# Altium PCB PCB2.PcbDoc (continued)
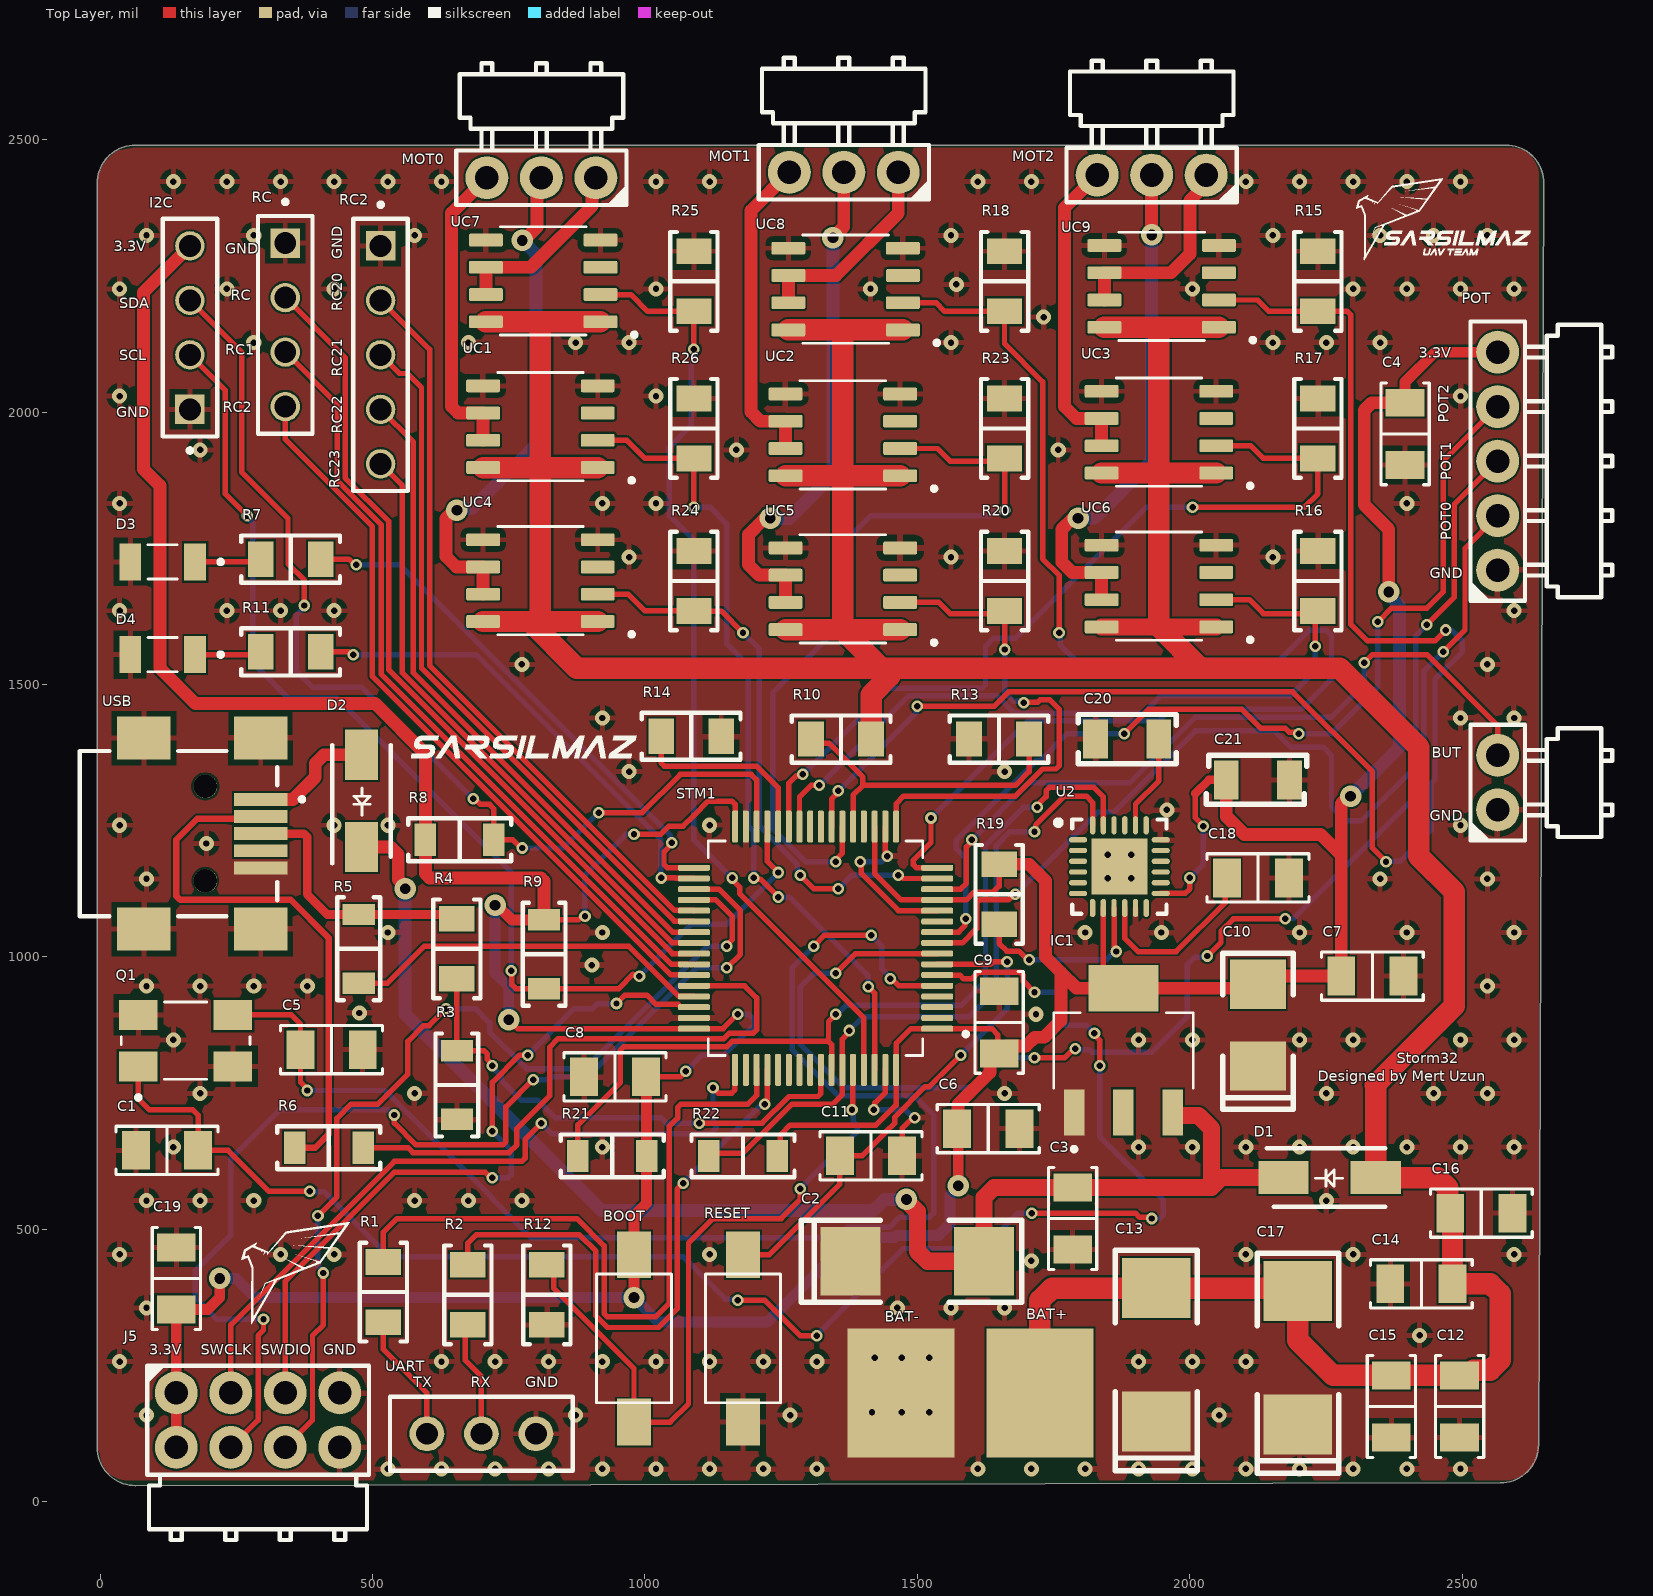
[diagram p0: Top Layer view]
## Part data (continued)
BOOT RESET: library part RESET_BUTTON
BUT: library part M20-9960245, "CONN HEADER R/A 2POS 2.54MM", Current Rating (Amps)="3A per Contact", manufacturer="Harwin Inc.", Material Flammability Rating="UL94 V-0", Operating Temperature="-40°C ~ 105°C", Supplier Part Number 1=952-2244-ND, Insulation Color=Black, componentlink1description=Datasheet, componentlink1url=https://cdn.harwin.com/pdfs/Harwin_PC_Connectors_M20.pdf, componentlink2description="DigiKey Link", componentlink2url=https://www.digikey.com/en/products/detail/harwin-inc/M20-9960245/3728208, Connector Type="Header, Cuttable", Contact Finish - Mating=Gold, Contact Length - Mating="0.240\" (6.10mm)", Contact Length - Post="0.118\" (3.00mm)", Contact Material=Brass, Contact Shape=Square, Contact Type="Male Pin", Fastening Type=Push-Pull, lastupdated="21.09.2022 19:22:55", Lifecycle Status=Active, Minimum Order=1, Mounting Type="Through Hole, Right Angle", Number of Positions=2, Number of Positions Loaded=All, Number of Rows=1, packaging=Bulk, Part Number=M20-9960245, Part Status=Active, partid=165, Pitch - Mating="0.100\" (2.54mm)", price=0.07, Row Spacing - Mating="-40°C ~ 105°C", series=M20, Shrouding=Unshrouded, Style="Board to Board or Cable", Supplier 1=DigiKey, Termination=Solder, Insulation Height="0.100\" (2.54mm)", Insulation Material="Polyamide (PA6T), Nylon 6T"
C1 C5: library part CC1206JRNPO9BN220, "CAP CER 22PF 50V C0G/NPO 1206", Device Package="1206 (3216 Metric)", manufacturer=Yageo, Operating Temperature="-55°C ~ 125°C", Supplier Part Number 1=311-1154-1-ND, Temperature Coefficient="C0G, NP0", Tolerance=±5%, Voltage - Rated=50V, Applications="General Purpose", Capacitance="22 pF", componentlink1description=Datasheet, componentlink1url=https://www.yageo.com/upload/media/product/productsearch/datasheet/mlcc/UPY-GP_NP0_16V-to-50V_17.pdf, componentlink2description="DigiKey Link", componentlink2url=https://www.digikey.com/en/products/detail/yageo/CC1206JRNPO9BN220/302888, lastupdated="4.06.2024 19:10:37", Lifecycle Status=Active, Minimum Order=1, Mounting Type="Surface Mount, MLCC", Package / Case="1206 (3216 Metric)", packaging=TapeAndReel, Part Number=CC1206JRNPO9BN220, Part Status=Active, partid=18729, price=0.03, series=CC, Size / Dimension="0.126\" L x 0.063\" W (3.20mm x 1.60mm)", Supplier 1=DigiKey, Thickness (Max)="0.024\" (0.60mm)"
C2 C13 C17: library part "TANTAL CAP C-CASE"
C3 C4 C6 C7 C8 C9 C11 C12 C14 C15 C16 C18 C19: library part 1206B104J101N, "MLCC 1206 100V 100NF X7R", Device Package="1206 (3216 Metric)", manufacturer="Knowles Novacap", Operating Temperature="-55°C ~ 125°C", Supplier Part Number 1=1763-1206B104J101N-ND, Temperature Coefficient=X7R, Tolerance=±5%, Voltage - Rated=100V, Applications="SMPS Filtering", Capacitance="0.1 µF", componentlink1description=Datasheet, componentlink1url=https://www.knowlescapacitors.com/getattachment/ddd08fe0-16c1-4f86-944e-edc3fc04fb57/X7R.pdf, componentlink2description="DigiKey Link", componentlink2url=https://www.digikey.com/en/products/detail/knowles-novacap/1206B104J101N/22208472, lastupdated="4.06.2024 19:09:54", Lifecycle Status=Active, Minimum Order=1, Mounting Type="Surface Mount, MLCC", Package / Case="1206 (3216 Metric)", packaging=Bulk, Part Number=1206B104J101N, partid=59278, price=0.25, series=-, Size / Dimension="0.126\" L x 0.063\" W (3.20mm x 1.60mm)", Supplier 1=DigiKey, Thickness (Max)="0.064\" (1.63mm)"
C10: library part "TANTALUM SMD B", "Generic Tantalum Type B, 3.5x2.8x1.9."
C20: library part CAP-SM-1206-X7R-10uF-50V, "2.2nF", manufacturer=GENERIC, Package=1206, Part Number=CAP-SM-1206-X7R-10uF-50V
C21: library part CAP-SM-1206-X7R-10uF-50V, "10nF", manufacturer=GENERIC, Package=1206, Part Number=CAP-SM-1206-X7R-10uF-50V
D3 D4: library part LHN974_RED_LED_1206, "2.6 V Red LED SMD", Package=None, Check_prices=https://www.snapeda.com/parts/LHN974%20RED%20LED%201206/Osram/view-part/?ref=eda, MF=Osram, MP="LHN974 RED LED 1206", SnapEDA_Link=https://www.snapeda.com/parts/LHN974%20RED%20LED%201206/Osram/view-part/?ref=snap
I2C RC: library part "Header 4pin"
J5: "CONN HEADER R/A 8POS 2.54MM", Current Rating (Amps)="3A per Contact", manufacturer="Harwin Inc.", Material Flammability Rating="UL94 V-0", Operating Temperature="-40°C ~ 105°C", Supplier Part Number 1=M20-9740442-ND, Insulation Color=Black, componentlink1description=Datasheet, componentlink1url=https://cdn.harwin.com/pdfs/M20-974.pdf, componentlink2description="DigiKey Link", componentlink2url=http://digikey.com/product-detail/en/harwin-inc/M20-9740442/M20-9740442-ND/3920714, Connector Type="Header, Cuttable", Contact Finish - Mating=Gold, Contact Finish - Post=Tin, Contact Material=Brass, Contact Shape=Square, Contact Type="Male Pin", Fastening Type=Push-Pull, lastupdated="21.09.2022 19:17:53", Lifecycle Status=Active, Minimum Order=5000, Mounting Type="Through Hole, Right Angle", Number of Positions=8, Number of Positions Loaded=All, Number of Rows=2, packaging=Bulk, Part Number=M20-9740442, Part Status=Active, partid=157, price=0.18, series=M20, Shrouding=Unshrouded, Style="Board to Board or Cable", Supplier 1=DigiKey, Termination=Solder, Insulation Material="Polyamide (PA6T), Nylon 6T"
MOT0 MOT1 MOT2: library part M20-9960345, "CONN HEADER R/A 3POS 2.54MM", Current Rating (Amps)="3A per Contact", manufacturer="Harwin Inc.", Material Flammability Rating="UL94 V-0", Operating Temperature="-40°C ~ 105°C", Supplier Part Number 1=952-2245-ND, Insulation Color=Black, componentlink1description=Datasheet, componentlink1url=https://cdn.harwin.com/pdfs/Harwin_PC_Connectors_M20.pdf, componentlink2description="DigiKey Link", componentlink2url=https://www.digikey.com/en/products/detail/harwin-inc/M20-9960345/3728209, Connector Type="Header, Cuttable", Contact Finish - Mating=Gold, Contact Length - Mating="0.240\" (6.10mm)", Contact Length - Post="0.118\" (3.00mm)", Contact Material=Brass, Contact Shape=Square, Contact Type="Male Pin", Fastening Type=Push-Pull, lastupdated="21.09.2022 19:23:07", Lifecycle Status=Active, Minimum Order=1, Mounting Type="Through Hole, Right Angle", Number of Positions=3, Number of Positions Loaded=All, Number of Rows=1, packaging=Bulk, Part Number=M20-9960345, Part Status=Active, partid=166, Pitch - Mating="0.100\" (2.54mm)", price=0.09, Row Spacing - Mating="-40°C ~ 105°C", series=M20, Shrouding=Unshrouded, Style="Board to Board or Cable", Supplier 1=DigiKey, Termination=Solder, Insulation Height="0.100\" (2.54mm)", Insulation Material="Polyamide (PA6T), Nylon 6T"
POT: library part M20-9960545, "CONN HEADER R/A 5POS 2.54MM", Current Rating (Amps)="3A per Contact", manufacturer="Harwin Inc.", Material Flammability Rating="UL94 V-0", Operating Temperature="-40°C ~ 105°C", Supplier Part Number 1=952-2246-ND, Insulation Color=Black, componentlink1description=Datasheet, componentlink1url=https://cdn.harwin.com/pdfs/Harwin_PC_Connectors_M20.pdf, componentlink2description="DigiKey Link", componentlink2url=https://www.digikey.com/en/products/detail/harwin-inc/M20-9960545/3728210, Connector Type="Header, Cuttable", Contact Finish - Mating=Gold, Contact Length - Mating="0.240\" (6.10mm)", Contact Length - Post="0.118\" (3.00mm)", Contact Material=Brass, Contact Shape=Square, Contact Type="Male Pin", Fastening Type=Push-Pull, lastupdated="21.09.2022 19:23:36", Lifecycle Status=Active, Minimum Order=1, Mounting Type="Through Hole, Right Angle", Number of Positions=5, Number of Positions Loaded=All, Number of Rows=1, packaging=Bulk, Part Number=M20-9960545, Part Status=Active, partid=168, Pitch - Mating="0.100\" (2.54mm)", price=0.14, Row Spacing - Mating="-40°C ~ 105°C", series=M20, Shrouding=Unshrouded, Style="Board to Board or Cable", Supplier 1=DigiKey, Termination=Solder, Insulation Height="0.100\" (2.54mm)", Insulation Material="Polyamide (PA6T), Nylon 6T"
R1 R7 R11: library part RNCS1206BKE1K00, "RES 1K OHM 0.1% 1/8W 1206", Device Package="1206 (3216 Metric)", manufacturer="Stackpole Electronics Inc", Operating Temperature="-55°C ~ 155°C", Power (Watts)="0.125W, 1/8W", Ratings=AEC-Q200, Supplier Device Package=1206, Supplier Part Number 1=RNCS1206BKE1K00CT-ND, Temperature Coefficient=±25ppm/°C, Tolerance=±0.1%, componentlink1description=Datasheet, componentlink1url=https://www.seielect.com/catalog/sei-rncs_rnch.pdf, componentlink2description="DigiKey Link", componentlink2url=https://www.digikey.com/en/products/detail/stackpole-electronics-inc/RNCS1206BKE1K00/1800333, Composition="Thin Film", Features="Anti-Corrosive, Automotive AEC-Q200, Moisture Resistant", Height - Seated (Max)="0.026\" (0.65mm)", lastupdated="9.02.2024 20:54:46", Lifecycle Status=Active, Minimum Order=1, Number of Terminations=2, Package / Case="1206 (3216 Metric)", packaging=TapeAndReel, Part Number=RNCS1206BKE1K00, Part Status=Active, partid=26856, price=0.08, Resistance="1 kOhms", series=RNCS, Size / Dimension="0.120\" L x 0.061\" W (3.05mm x 1.55mm)", Supplier 1=DigiKey
R2 R19: library part CRG1206F4K7, "RES SMD 4.7K OHM 1% 1/4W 1206", Device Package="1206 (3216 Metric)", manufacturer="TE Connectivity Passive Product", Operating Temperature="-55°C ~ 155°C", Power (Watts)="0.25W, 1/4W", Supplier Device Package=1206, Supplier Part Number 1=A106078CT-ND, Temperature Coefficient=±100ppm/°C, Tolerance=±1%, componentlink1description=Datasheet, componentlink1url=https://www.te.com/commerce/DocumentDelivery/DDEController?Action=srchrtrv&DocNm=1773204&DocType=DS&DocLang=English, componentlink2description="DigiKey Link", componentlink2url=https://www.digikey.com/en/products/detail/te-connectivity-passive-product/CRG1206F4K7/2381014, Composition="Thick Film", Height - Seated (Max)="0.026\" (0.65mm)", lastupdated="9.02.2024 20:54:45", Lifecycle Status=Active, Minimum Order=1, Number of Terminations=2, Package / Case="1206 (3216 Metric)", packaging=TapeAndReel, Part Number=CRG1206F4K7, Part Status=Active, partid=26987, price=0.01, Resistance="4.7 kOhms", series="CRG, Neohm", Size / Dimension="0.122\" L x 0.061\" W (3.10mm x 1.55mm)", Supplier 1=DigiKey
R3: library part RC1206JR-0747KL, "RES 47K OHM 5% 1/4W 1206", Device Package="1206 (3216 Metric)", manufacturer=Yageo, Operating Temperature="-55°C ~ 155°C", Power (Watts)="0.25W, 1/4W", Supplier Device Package=1206, Supplier Part Number 1=311-47KERCT-ND, Temperature Coefficient=±100ppm/°C, Tolerance=±5%, componentlink1description=Datasheet, componentlink1url=https://www.yageo.com/upload/media/product/productsearch/datasheet/rchip/PYu-RC_Group_51_RoHS_L_10.pdf, componentlink2description="DigiKey Link", componentlink2url=https://www.digikey.com/en/products/detail/yageo/RC1206JR-0747KL/729303, Composition="Thick Film", Features="Moisture Resistant", Height - Seated (Max)="0.026\" (0.65mm)", lastupdated="25.07.2024 09:21:36", Lifecycle Status=Active, Minimum Order=1, Number of Terminations=2, Package / Case="1206 (3216 Metric)", packaging=TapeAndReel, Part Number=RC1206JR-0747KL, Part Status=Active, partid=27912, price=0.01, Resistance="47 kOhms", series=RC_L, Size / Dimension="0.122\" L x 0.063\" W (3.10mm x 1.60mm)", Supplier 1=DigiKey
R4 R13: library part RNCP1206FTD1K50, "RES 1.5K OHM 1% 1/2W 1206", Device Package="1206 (3216 Metric)", manufacturer="Stackpole Electronics Inc", Operating Temperature="-55°C ~ 155°C", Power (Watts)="0.5W, 1/2W", Supplier Device Package=1206, Supplier Part Number 1=RNCP1206FTD1K50CT-ND, Temperature Coefficient=±100ppm/°C, Tolerance=±1%, componentlink1description=Datasheet, componentlink1url=https://www.seielect.com/catalog/sei-rncp.pdf, componentlink2description="DigiKey Link", componentlink2url=https://www.digikey.com/en/products/detail/stackpole-electronics-inc/RNCP1206FTD1K50/2240341, Composition="Thin Film", Features=Anti-Sulfur, Height - Seated (Max)="0.025\" (0.65mm)", lastupdated="9.02.2024 20:54:45", Lifecycle Status=Active, Minimum Order=1, Number of Terminations=2, Package / Case="1206 (3216 Metric)", packaging=TapeAndReel, Part Number=RNCP1206FTD1K50, Part Status=Active, partid=26971, price=0.01, Resistance="1.5 kOhms", series=RNCP, Size / Dimension="0.122\" L x 0.059\" W (3.10mm x 1.50mm)", Supplier 1=DigiKey
R5 R6: library part AC1206JR-0722RL, "RES SMD 22 OHM 5% 1/4W 1206", Device Package="1206 (3216 Metric)", manufacturer=Yageo, Operating Temperature="-55°C ~ 155°C", Power (Watts)="0.25W, 1/4W", Ratings=AEC-Q200, Supplier Device Package=1206, Supplier Part Number 1=YAG3939CT-ND, Temperature Coefficient=±100ppm/°C, Tolerance=±5%, componentlink1description=Datasheet, componentlink1url=https://www.yageo.com/upload/media/product/productsearch/datasheet/rchip/PYu-AC_51_RoHS_L_7.pdf, componentlink2description="DigiKey Link", componentlink2url=https://www.digikey.com/en/products/detail/yageo/AC1206JR-0722RL/5897810, Composition="Thick Film", Features="Automotive AEC-Q200, Moisture Resistant", Height - Seated (Max)="0.026\" (0.65mm)", lastupdated="25.07.2024 09:21:37", Lifecycle Status=Active, Minimum Order=1, Number of Terminations=2, Package / Case="1206 (3216 Metric)", packaging=TapeAndReel, Part Number=AC1206JR-0722RL, Part Status=Active, partid=27520, price=0.01, Resistance="22 Ohms", series=AC, Size / Dimension="0.122\" L x 0.063\" W (3.10mm x 1.60mm)", Supplier 1=DigiKey
R8 R9 R21 R22: library part RT1206BRD072K2L, "RES SMD 2.2K OHM 0.1% 1/4W 1206", Device Package="1206 (3216 Metric)", manufacturer=Yageo, Operating Temperature="-55°C ~ 155°C", Power (Watts)="0.25W, 1/4W", Supplier Device Package=1206, Supplier Part Number 1=YAG5058CT-ND, Temperature Coefficient=±25ppm/°C, Tolerance=±0.1%, componentlink1description=Datasheet, componentlink1url=https://www.yageo.com/upload/media/product/productsearch/datasheet/rchip/PYu-RT_1-to-0.01_RoHS_L_11.pdf, componentlink2description="DigiKey Link", componentlink2url=https://www.digikey.com/en/products/detail/yageo/RT1206BRD072K2L/1079707, Composition="Thin Film", Height - Seated (Max)="0.026\" (0.65mm)", lastupdated="25.07.2024 09:21:38", Lifecycle Status=Active, Minimum Order=1, Number of Terminations=2, Package / Case="1206 (3216 Metric)", packaging=TapeAndReel, Part Number=RT1206BRD072K2L, Part Status=Active, partid=26874, price=0.09, Resistance="2.2 kOhms", series=RT, Size / Dimension="0.122\" L x 0.063\" W (3.10mm x 1.60mm)", Supplier 1=DigiKey
R10 R12 R14 R15 R16 R17 R18 R20 R23 R24 R25 R26: library part CRG1206F10K, "RES SMD 10K OHM 1% 1/4W 1206", Device Package="1206 (3216 Metric)", manufacturer="TE Connectivity Passive Product", Operating Temperature="-55°C ~ 155°C", Power (Watts)="0.25W, 1/4W", Supplier Device Package=1206, Supplier Part Number 1=A106069CT-ND, Temperature Coefficient=±100ppm/°C, Tolerance=±1%, componentlink1description=Datasheet, componentlink1url=https://www.te.com/commerce/DocumentDelivery/DDEController?Action=srchrtrv&DocNm=1773204&DocType=DS&DocLang=English, componentlink2description="DigiKey Link", componentlink2url=https://www.digikey.com/en/products/detail/te-connectivity-passive-product/CRG1206F10K/2389909, Composition="Thick Film", Height - Seated (Max)="0.026\" (0.65mm)", lastupdated="9.02.2024 20:54:44", Lifecycle Status=Active, Minimum Order=1, Number of Terminations=2, Package / Case="1206 (3216 Metric)", packaging=TapeAndReel, Part Number=CRG1206F10K, Part Status=Active, partid=26989, price=0.01, Resistance="10 kOhms", series="CRG, Neohm", Size / Dimension="0.122\" L x 0.061\" W (3.10mm x 1.55mm)", Supplier 1=DigiKey
RC2: library part "header 5x1"
UART: library part "Header 3pin"

## Free pads (board coordinates)
  rect 196.85x236.22 smd: 2(1470,200) 3(1725,200)

## Via types
v1: diameter 27.56, hole 11.81, Top Layer to Bottom Layer, tented both sides, 177 vias
v2: diameter 21.26, hole 11.81, Top Layer to Bottom Layer, tented both sides, 100 vias
v3: diameter 39.37, hole 19.68, Top Layer to Bottom Layer, tented both sides, 15 vias
v4: diameter 23.62, hole 11.81, Top Layer to Bottom Layer, tented both sides, 4 vias

## Nets (pads, with @x,y where several pads share a name; then routed paths per layer and width w, separated by ;. In a path a pad name is that pad's centre, name@x,y a point inside that pad or via, vN(x,y) a via of type N, cw(c..) or ccw(c..) an arc to the next point about the centre after c; other vN are vias at no path point)
+3.3V: BOOT.1 C4.1 C6.1 C7.1 C8.1 C9.1 C10.2 C19.1 C21.2 I2C.04 IC1.2 IC1.4 J5.1 J5.8 POT.5 R8.1 R9.2 R19.1 R21.1 R22.1 STM1.1 STM1.13 STM1.19 STM1.32 STM1.48 STM1.64 U2.8 U2.13 | length 10310.8
  Top Layer w10: v3(750,885) 766.57,868.43 STM1.48 1143.43,868.43 v2(1170,895) ; R9.2 877.99,1067.99 885,1075 v2(890,1075) ; v2(980,1225) 1029.02,1225 1044.02,1240 1070,1240 1090,1260 1115.86,1285.86 1159.73,1285.86 1165.59,1280 STM1.32 ; C8.1 1065,780 v2(1075,790) ; R22.1 1248.67,640.68 1248.67,673.67 1266.28,691.28 1423.95,691.28 1460.87,728.19 STM1.64 1460.87,840.87 1488.43,868.43 STM1.1 1636.57,868.43 1647.35,857.65 1647.35,825.56 C9.1 ; STM1.19 1421.5,1153.5 1470.35,1104.65 STM1.13 1589.94,1104.65 1604.23,1118.94 1638.94,1118.94 1650,1130 R19.1 ; C6.1 C6.1@1575,682.91 ; U2.8 1841.26,979.57 IC1.4@1875.86,944.97 ; U2.13 1991.57,1116.57 2000,1125 v2(2000,1145) ; 2010,1300 2010,1255 v2(2025,1240)
  Top Layer w15.75: 2010,1300 2034.95,1324.95 C21.2
  Top Layer w19.68: J5.8 J5.1 C19.1 197.91,352.91 220,375 v3(220,410) ; v3(725,1095) 728.94,1095 755.94,1067.99 R9.2 ; v3(980,375) BOOT.1 980,525 1002.99,547.99 R21.1 1002.99,779.09 C8.1 ; v3(1575,580) C6.1@1575,682.91 ; C4.1 2395,2055 2450,2110 POT.5
  Top Layer w23.62: I2C.04 80,2220 80,1895 110,1865 110,1530 175,1465 505,1465 597.01,1372.99 R8.1 597.01,1152.99 605,1145 809.14,1145 815,1139.14 R9.2 ; C6.1 1574.58,686.66 1574.58,729.58 1633.18,788.18 1633.18,806.09 C9.1 1663.78,836.69 1699.39,836.69 1715.37,852.68 1732.68,852.68 1763.66,883.66 1763.66,971.34 ; R19.1 1704.88,1170.12 1735,1140 1735,1000 1763.66,971.34 ; IC1.4@1875.86,944.97 IC1.4 ; C21.2 C21.2 2066.93,1258.07 2100,1225 2240,1225 2277.91,1187.09 ; v3(2295,1295) 2291.75,1295 2277.91,1281.16 2277.91,1187.09 ; v3(2365,1670) 2365,1785 2320,1830 2320,2003.25 2333.84,2017.09 C4.1 ; 1763.66,971.34 1792.32,942.68 IC1.4 ; IC1.4 2117.68,942.68 2140,965 C7.1 2277.91,1187.09
  Bottom Layer w10: v2(890,1075) 890,1150 965,1225 v2(980,1225) ; v2(1075,790) 1105,820 1145,820 1200.86,875.86 1200.86,884.14 1190,895 v2(1170,895) ; v2(2000,1145) 2025,1170 v2(2025,1240)
  Bottom Layer w19.68: v3(220,410) 250,410 285,375 v3(980,375) 1025,330 1225,330 1380,485 1457.5,485 1461.28,488.78 1538.78,488.78 1560,510 1560,561.95 1575,576.95 v3(1575,580) ; v3(725,1095) 725,970.48 750,945.48 v3(750,885)
  Bottom Layer w23.62: v3(2295,1295) 2385,1385 2385,1645 2365,1665 v3(2365,1670)
A0: R17.1 STM1.27 UC3.2 | length 1573.1
  Top Layer w10: STM1.27 1264.02,1319.02 1277.85,1332.85 1287.85,1332.85 v2(1290,1335) ; v2(2005,1825) 2210,1825 2235,1850 R17.1 2234.88,1915 2135,1915 2111.83,1938.17 UC3.2
  Bottom Layer w10: v2(1290,1335) 1448.5,1493.5 1619.14,1493.5 1625,1499.36 1625,1570 1640,1585 1680,1585 1920,1825 v2(2005,1825)
A1: R23.1 STM1.22 UC2.2 | length 1401.2
  Top Layer w10: v2(1350,1175) 1350,1178.05 1362.44,1190.49 STM1.22 ; UC2.2 1536.83,1933.17 1560,1910 1655.12,1910 R23.1 ; v2(1660,1820) R23.1@1660,1910
  Bottom Layer w10: v2(1350,1175) 1295,1175 1235,1235 1235,1485 1360,1610 1360,1755 1415,1810 1631.95,1810 1639.8,1817.85 1657.85,1817.85 v2(1660,1820)
A2: R26.1 STM1.62 UC1.2 | length 1484.9
  Top Layer w10: UC1.2 966.83,1948.17 1000.12,1914.88 R26.1 v2(1090,1825) ; v2(1200,1145) 1202.15,1142.85 1212.15,1142.85 v2(1245,1110) ; v2(1410,945) 1421.5,933.5 STM1.62
  Bottom Layer w10: v2(1090,1825) 1120,1825 1150,1795 1150,1575 1190,1535 1190,1240.29 1200,1230.29 v2(1200,1145) ; v2(1245,1110) 1265,1110 1410,965 v2(1410,945)
ADC: R10.2 R13.2 STM1.21 | length 597.6
  Top Layer w10: R10.2 1312.53,1392.35 1337.65,1392.35 1400,1330 1400,1315 ; STM1.21 1382.13,1262.87 1382.13,1297.13 1400,1315 ; R13.2 1705,1340 1680,1315 1400,1315
AUX0: J5.7 STM1.35 | length 2055.2
  Top Layer w10: J5.7 290,150 290,305 300,315 v2(300,335) ; v2(540,710) 540,695 580,655 739.14,655 745,660.86 745,725 v2(795,775) ; STM1.35 1135.67,1124.33 1175,1085 1175,1005 v2(1150,980)
  Bottom Layer w10: v2(300,335) 215,335 175,375 175,425 240,490 240,630 330,720 528.51,720 538.51,710 v2(540,710) ; v2(795,775) 820.63,775 825.63,780 895,780 1095,980 v2(1150,980)
AUX1: J5.6 STM1.36 | length 1775.2
  Top Layer w10: J5.6 390,150 390,305 410,325 v2(410,420) ; v2(400,525) 434.84,559.84 434.84,703.98 460.86,730 510,730 565,785 565,845 593.92,873.92 603.92,873.92 v2(635,905) ; STM1.36 1130.35,1104.65 1160,1075 1160,1031.49 1150,1021.49 v2(1150,1020)
  Bottom Layer w10: v2(400,525) 400,433.05 410,423.05 v2(410,420) ; v2(635,905) 689.14,905 715,879.14 715,862.33 782.33,795 890,795 1115,1020 v2(1150,1020)
B0: R16.1 STM1.26 UC6.2 | length 1427.6
  Top Layer w10: STM1.26 1283.7,1293.7 1305,1315 v2(1320,1315) ; UC6.2 2109.33,1655.67 2135,1630 R16.1@2230.12,1630 ; v2(2230,1570) 2230,1629.88 R16.1
  Bottom Layer w10: v2(1320,1315) 1484.57,1479.57 1645.72,1479.57 1678.05,1447.24 1915.15,1447.24 1947.47,1479.57 2184.57,1479.57 2230,1525 v2(2230,1570)
B1: R20.1 STM1.17 UC5.2 | length 943
  Top Layer w10: STM1.17 1460.87,1280.87 1475,1295 1680,1295 1730,1345 1754.14,1345 1760,1350.86 1760,1455 1742.56,1472.44 1725.63,1472.44 1720.63,1467.44 1695.63,1467.44 v2(1695,1466.81) ; UC5.2 1539.33,1650.67 1560,1630 1655.12,1630 R20.1 v2(1660,1564.25)
  Bottom Layer w10: v2(1660,1564.25) 1660,1485 1676.03,1468.97 1692.85,1468.97 v2(1695,1466.81)
B2: R24.1 STM1.15 UC4.2 | length 1059
  Top Layer w10: UC4.2 969.33,1665.67 1000,1635 1089.88,1635 R24.1 1140.12,1634.88 v2(1180,1595) ; v2(1285,1150) 1310,1125 v2(1355,1125) ; v2(1465,1150) 1468.05,1150 1474.03,1144.02 STM1.15
  Bottom Layer w10: v2(1180,1595) 1210,1565 1210,1240 1279.38,1170.62 1279.38,1158.67 1285,1153.05 v2(1285,1150) ; v2(1355,1125) 1380,1150 v2(1465,1150)
BAT+: C12.1 C13.2 C14.1 C15.1 C16.1 C17.2 D1.2 pad.3 R10.1 UC1.1 UC1.8 UC2.1 UC2.8 UC3.1 UC3.8 UC4.1 UC4.8 UC5.1 UC5.8 UC6.1 UC6.8 UC7.1 UC7.8 UC8.1 UC8.8 UC9.1 UC9.8 | length 8209.7
  Top Layer w31.5: UC6.8 1943.31,1605.67 UC6.1
  Top Layer w39.37: UC4.8 808.31,1615.67 ; UC1.8 808.31,1898.17 ; UC7.8 813.31,2165.67 ; 789.33,1615.67 875,1530 1448.98,1530 2018.98,1530 ; UC4.1 808.31,1615.67 ; UC1.1 808.31,1898.17 ; UC7.1 813.31,2165.67 ; UC5.8 1363.31,1600.67 ; UC2.8 1363.31,1883.17 ; UC8.8 1368.31,2150.67 ; R10.1 1415.12,1481.14 1448.98,1515 1363.31,1600.67 ; UC5.1 1363.31,1600.67 ; UC2.1 1363.31,1883.17 ; UC8.1 1368.31,2150.67 ; pad.3 1725,370 1747.3,392.3 C13.2 2193.35,392.3 C17.2 2198.35,296.65 2262.91,232.09 C15.1 2510,232.09 2519.84,241.93 2551.55,241.93 2570,260.38 2570,381.55 2551.55,400 C14.1 C16.1@2482.09,530 ; UC3.8 1943.31,1888.17 ; UC9.8 1948.31,2155.67 ; UC3.1 1943.31,1888.17 ; UC9.1 1948.31,2155.67 ; 2340,765 2485,910 2485,1120 2420,1185 2420,1385 2275,1530 2018.98,1530 ; 2341.18,763.82 D1.2 2454.62,595.16 2473.07,576.71 2473.07,539.84 C16.1@2482.91,530 ; C12.1@2500,232.09 C12.1@2509.84,232.09 ; 808.31,1615.67 808.31,1898.17 ; 808.31,1898.17 808.31,2160.67 813.31,2165.67 ; 1363.31,1600.67 1363.31,1883.17 ; 1363.31,1883.17 1363.31,2145.67 1368.31,2150.67 ; 1943.31,1888.17 1943.31,2150.67 1948.31,2155.67 ; 1943.31,1888.17 1943.31,1605.67 2018.98,1530
BAT-: BUT.1 C1.1 C2.1 C3.2 C4.2 C5.1 C6.2 C7.2 C8.2 C9.2 C10.1 C11.2 C12.2 C13.1 C14.2 C15.2 C16.2 C17.1 C18.2 C19.2 C20.1 C21.1 D3.NEG D4.NEG I2C.01 IC1.1 J5.4 J5.5 pad.2 POT.1 Q1.2 Q1.4 R3.2 R12.1 R13.1 R14.2 R15.2 R16.2 R17.2 R18.2 R20.2 R23.2 R24.2 R25.2 R26.2 RC2.1 RC.01 RESET.2 STM1.12 STM1.18 STM1.31 STM1.47 STM1.63 U2.11 U2.18 UART.1 UC1.4 UC1.5 UC2.4 UC2.5 UC3.4 UC3.5 UC4.4 UC4.5 UC5.4 UC5.5 UC6.4 UC6.5 UC7.4 UC7.5 UC8.4 UC8.5 UC9.4 UC9.5 USB.5 USB.SH1 USB.SH2 USB.SH3 USB.SH4 | length 544.8
  Top Layer w10: v2(1395,1175) 1397.15,1172.85 1397.15,1152.85 1465.04,1084.96 STM1.12 ; v2(1420,720) 1422.15,722.15 1422.15,732.15 1441.18,751.18 STM1.63 ; STM1.18 1441.18,1191.87 1445,1188.05 v2(1445,1185) ; C11.2 1472.09,685.43 1489.5,702.85 1492.85,702.85 v2(1495,705)
  Bottom Layer w10: v2(1395,1175) 1435,1175 v2(1445,1185) ; v2(1420,720) 1476.95,720 1491.95,705 v2(1495,705)
  other v1: 528.23,60.63 626.65,60.63 725.08,60.63 823.5,60.63 921.93,60.63 1020.35,60.63 1118.78,60.63 1217.2,60.63 1315.63,60.63 1610.91,60.63 1709.33,60.63 1807.76,60.63 1906.18,60.63 2004.61,60.63 2103.03,60.63 2201.46,60.63 2299.88,60.63 2398.31,60.63 2496.73,60.63 85.32,159.06 872.72,159.06 1266.42,159.06 2053.82,159.06 1416.69,164.41 1471.69,164.41 1521.69,164.41 36.1,257.48 626.65,257.48 725.08,257.48 823.5,257.48 921.93,257.48 1020.35,257.48 1118.78,257.48 1217.2,257.48 1315.63,257.48 1906.18,257.48 2004.61,257.48 2103.03,257.48 1421.69,264.41 1471.69,264.41 1521.69,264.41 2421.73,305.63 85.32,355.91 1463.27,355.91 1561.69,355.91 1660.12,355.91 1709.33,442.28 36.1,454.33 331.38,454.33 429.8,454.33 1118.78,454.33 2103.03,454.33 2299.88,454.33 2595.16,454.33 85.32,552.76 183.74,552.76 282.17,552.76 577.44,552.76 675.87,552.76 774.29,552.76 2250.67,552.76 134.53,651.18 921.93,651.18 1906.18,651.18 2004.61,651.18 2103.03,651.18 2201.46,651.18 2299.88,651.18 2398.31,651.18 2496.73,651.18 2595.16,651.18 183.74,749.61 577.44,749.61 1660.12,749.61 2250.67,749.61 2447.52,749.61 2545.95,749.61 134.53,848.03 1906.18,848.03 2004.61,848.03 2201.46,848.03 2299.88,848.03 2496.73,848.03 2595.16,848.03 1717.76,894.88 476.01,897.23 85.32,946.46 183.74,946.46 282.17,946.46 380.59,946.46 2545.95,946.46 902.76,984.88 528.23,1044.88 921.93,1044.88 1807.76,1044.88 1947.76,1044.88 2201.46,1044.88 2398.31,1044.88 2595.16,1044.88 85.32,1143.31 2349.09,1143.31 2545.95,1143.31 195.32,1208.31 36.1,1241.73 429.8,1241.73 528.23,1241.73 1118.78,1241.73 2496.73,1241.73 1957.76,1269.88 971.14,1340.16 1660.12,1340.16 921.93,1438.58 2496.73,1438.58 2595.16,1438.58 774.29,1537.01 2545.95,1537.01 36.1,1635.43 232.95,1635.43 331.38,1635.43 429.8,1635.43 2595.16,1635.43 971.14,1733.86 1561.69,1733.86 2152.24,1733.86 36.1,1832.28 921.93,1832.28 1020.35,1832.28 2398.31,1832.28 183.74,1930.71 1167.99,1930.71 1758.54,1930.71 36.1,2029.13 1020.35,2029.13 2496.73,2029.13 282.17,2127.56 675.87,2127.56 872.72,2127.56 971.14,2127.56 1561.69,2127.56 2152.24,2127.56 2250.67,2127.56 2349.09,2127.56 1731.69,2174.41 36.1,2225.98 232.95,2225.98 429.8,2225.98 1020.35,2225.98 1414.06,2225.98 2004.61,2225.98 2299.88,2225.98 2398.31,2225.98 2496.73,2225.98 2595.16,2225.98 1571.69,2234.41 85.32,2324.41 282.17,2324.41 577.44,2324.41 1561.69,2324.41 2152.24,2324.41 2349.09,2324.41 2447.52,2324.41 2545.95,2324.41 134.53,2422.83 232.95,2422.83 331.38,2422.83 429.8,2422.83 528.23,2422.83 626.65,2422.83 1020.35,2422.83 1118.78,2422.83 1610.91,2422.83 1709.33,2422.83 2103.03,2422.83 2201.46,2422.83 2299.88,2422.83 2398.31,2422.83 2496.73,2422.83
BOOT1: R14.1 STM1.28 | length 353.6
  Top Layer w10: R14.1 1029.88,1355.98 1035.74,1350.12 1204.88,1350.12 1244.33,1310.67 STM1.28
BUT: BUT.2 STM1.14 | length 1380.2
  Top Layer w10: STM1.14 1579.33,1124.33 1590,1135 1590,1201.95 1600,1211.95 v2(1600,1215) ; v2(2320,1540) 2335,1555 2435,1555 2565,1425 BUT.2
  Bottom Layer w10: v2(1600,1215) 1705,1320 1890,1320 2010,1440 2260,1440 2320,1500 v2(2320,1540)
C0: R15.1 STM1.23 UC9.2 | length 2900.5
  Top Layer w10: STM1.23 1342.76,1289.71 1355,1301.95 v2(1355,1305) ; v2(1500,1460) 1640.83,1460 1667.21,1486.38 2188.62,1486.38 2335,1340 2335,1200 v2(2360,1175) ; UC9.2 2124.33,2205.67 2145,2185 2234.88,2185 R15.1 2289.14,2184.88 2295,2179.02 2295,1610.86 2325.86,1580 2450,1580 v2(2470,1600)
  Bottom Layer w10: v2(1355,1305) 1497.85,1447.85 1497.85,1457.85 v2(1500,1460) ; v2(2360,1175) 2360.63,1175.63 2385.63,1175.63 2442.87,1232.87 2442.87,1318.16 2450,1325.29 2450,1510 2500,1560 2500,1580 2480,1600 v2(2470,1600)
C1: R18.1 STM1.16 UC8.2 | length 2449.2
  Top Layer w10: UC8.2 1534.33,2200.67 1550,2185 1659.88,2185 1659.88,2125.69 1730,2055.57 1730,1730.66 1760,1700.66 v2(1760,1595) ; v2(1525,1255) 1525,1210 1492.84,1177.84 1492.84,1169.56 1498.7,1163.7 STM1.16
  Bottom Layer w10: v2(1525,1255) 1703.31,1433.31 1943.31,1433.31 1965,1455 2205,1455 2260,1510 2260,1590 2250,1600 2220,1600 2165,1545 1790,1545 1762.15,1572.85 1762.15,1592.85 v2(1760,1595)
C2: R25.1 STM1.61 UC7.2 | length 1742.8
  Top Layer w10: UC7.2 974.33,2215.67 1005,2185 1089.88,2185 R25.1 v2(1090,2115) ; v2(1160,1145) 1160,1141.95 1174.16,1127.79 1174.16,1115.84 1401.81,888.19 STM1.61
  Bottom Layer w10: v2(1090,2115) 1090,2095 1085,2090 1085,1975 1045,1935 1045,1810 1090,1765 1090,1215 v2(1160,1145)
LED0: R7.1 STM1.33 | length 969.1
  Top Layer w10: R7.1 456.95,1730 466.95,1720 v2(470,1720) ; v2(1048.94,1210) 1048.94,1206.95 1035,1193.01 1035,1170 1041.3,1163.7 STM1.33
  Bottom Layer w10: v2(470,1720) 550,1720 1046.79,1223.21 1046.79,1212.15 v2(1048.94,1210)
LED1: R11.1 STM1.34 | length 898.2
  Top Layer w10: R11.1 456.95,1560 461.95,1555 v2(465,1555) ; v2(1030,1145) 1055.63,1145 1056.1,1144.53 1089.49,1144.53 STM1.34
  Bottom Layer w10: v2(465,1555) 690,1555 1029.38,1215.62 1029.38,1145.62 v2(1030,1145)
NetC1_2: C1.2 Q1.1 STM1.6 | length 3021.5
  Top Layer w10: Q1.1 70.47,739.53 90,720 170,720 180,710 C1.2 235,645 310,570 v2(385,570) ; v2(1170,370) 1220,370 1285,305 v2(1315,305) ; STM1.6 1578.15,966.85 1585,960 1599.25,960 1610.87,971.61 1689.13,971.61 1694.37,966.38 1694.37,955.63 v2(1715,935) ; v2(1710,530) 1900,530 1907.85,522.15 1927.85,522.15 v2(1930,520) ; v2(1825,860) 1825,856.95 1835,846.95 v2(1835,800)
  Bottom Layer w10: v2(385,570) 385.63,569.37 410.63,569.37 530,450 1070,450 1147.85,372.15 1167.85,372.15 v2(1170,370) ; v2(1315,305) 1475,465 1620,465 1685,530 v2(1710,530) ; v2(1715,935) 1759.14,935 1765,929.14 1765,880.86 1770.86,875 1810,875 v2(1825,860) ; v2(1835,800) 1835,670 1951.38,553.62 1951.38,526.58 1945.53,520.72 1930.72,520.72 v2(1930,520)
NetC2_2: C2.2 C3.1 D1.1 D2.1 IC1.3 | length 2556.3
  Top Layer w23.62: D2.1 533.4,1201.89 547.24,1188.05 547.24,1142.02 560,1129.26 v3(560,1125)
  Top Layer w31.5: v3(1480,555) 1480,552.87 1500,532.87 1500,460.1 1518.45,441.65 C2.2 1622.3,558.64 1640.75,577.09 C3.1 2039.49,577.09 ; IC1.3 1968.7,711.76 1971.65,708.8 2016.2,708.8 2039.49,685.51 2039.49,577.09 ; D1.1 2057.56,595.16 2039.49,577.09
  Bottom Layer w23.62: v3(560,1125) 560,895 920,535 1420,535 1440,555 v3(1480,555)
NetC5_2: C5.2 Q1.3 STM1.5 | length 2535.6
  Top Layer w10: Q1.3 351.26,893.74 367.91,877.09 C5.2 367.91,770.13 380,758.05 v2(380,755) ; v2(1310,1020) 1330,1040 v2(1415,1040) ; v2(1450,960) 1453.05,960 1465.88,947.17 STM1.5
  Bottom Layer w10: v2(380,755) 522.67,755 720,557.67 720,555.86 790.86,485 1353.44,485 1372.22,503.78 1448.78,503.78 1467.5,522.5 1522.5,522.5 1530,530 1530,710 1495,745 1355,745 1270,830 1270,980 v2(1310,1020) ; v2(1415,1040) 1435,1020 1435,978.05 1450,963.05 v2(1450,960)
NetC11_1: C11.1 RESET.1 STM1.7 | length 925.5
  Top Layer w10: RESET.1 1228.54,453.54 1357.91,582.91 C11.1 1398.5,635 1437.56,674.05 1437.56,674.13 1442.79,679.37 1442.87,679.37 1458.15,694.65 1458.15,705.77 1514.37,761.98 1521.98,761.98 v2(1580,820) ; STM1.7 1633.94,986.54 1638.58,991.18 v2(1664.57,991.18)
  Bottom Layer w10: v2(1580,820) 1665,905 1665,990.75 v2(1664.57,991.18)
NetC18_1: C18.1 U2.10 | length 333.7
  Top Layer w10: U2.10 1880.63,1034.24 1904.87,1010 1975,1010 2065.42,1100.42 2065.42,1142.51 C18.1
NetC20_2: C20.2 U2.20 | length 176.1
  Top Layer w10: U2.20 1900.32,1280.32 1943.07,1323.07 C20.2
NetD3_POS: D3.POS R7.2 | length 122.5
  Top Layer w10: D3.POS 289.88,1725 R7.2
NetD4_POS: D4.POS R11.2 | length 122.5
  Top Layer w10: D4.POS 289.88,1555 R11.2
NetJ2_2: R2.1 UART.2 | length 214.4
  Top Layer w10: R2.1 670,319.88 670,260 700,230 UART.2
NetJ2_3: R1.1 UART.3 | length 238
  Top Layer w10: R1.1 520,280 600,200 UART.3
NetJ8_1: MOT0.1 UC7.6 UC7.7 | length 346.2
  Top Layer w23.62: UC7.7 UC7.6 790.67,2265.67 903.23,2378.23 903.23,2423.23 MOT0.1
NetJ8_2: MOT0.2 UC4.6 UC4.7 | length 933.7
  Top Layer w23.62: v3(655,1820) 650,1820 635,1805 635,1735 654.33,1715.67 UC4.6 UC4.7 ; v3(775,2315) 777.87,2315 802.15,2339.28 802.15,2422.15 MOT0.2
  Bottom Layer w23.62: v3(655,1820) 657.85,1822.85 682.85,1822.85 800,1940 800,2290 v3(775,2315)
NetJ8_3: MOT0.3 UC1.6 UC1.7 | length 560
  Top Layer w23.62: UC1.7 UC1.6 656.83,1998.17 645,2010 645,2365 MOT0.3
NetJ9_1: MOT1.1 UC8.6 UC8.7 | length 374.2
  Top Layer w23.62: UC8.7 UC8.6 1350.67,2250.67 1465,2365 MOT1.1
NetJ9_2: MOT1.2 UC5.6 UC5.7 | length 945
  Top Layer w23.62: v3(1230,1805) 1227.85,1802.85 1217.85,1802.85 1190,1775 1190,1720 1209.33,1700.67 UC5.6 UC5.7 ; v3(1345,2320) 1365,2340 MOT1.2
  Bottom Layer w23.62: v3(1230,1805) 1265,1805 1345,1885 v3(1345,2320)
NetJ9_3: MOT1.3 UC2.6 UC2.7 | length 589.2
  Top Layer w23.62: UC2.7 UC2.6 1211.83,1983.17 1195,2000 1195,2370 MOT1.3
NetJ10_1: MOT2.1 UC9.6 UC9.7 | length 378.5
  Top Layer w23.62: UC9.7 UC9.6 1965.67,2255.67 2000,2290 2000,2388.11 2030,2418.11 MOT2.1
NetJ10_2: MOT2.2 UC6.6 UC6.7 | length 933
  Top Layer w23.62: v3(1795,1805) 1792.85,1802.85 1782.85,1802.85 1765,1785 1765,1725 1784.33,1705.67 UC6.6 UC6.7 ; v3(1930,2325) MOT2.2
  Bottom Layer w23.62: v3(1795,1805) 1795.35,1805.35 1825.35,1805.35 1930,1910 v3(1930,2325)
NetJ10_3: MOT2.3 UC3.6 UC3.7 | length 577.1
  Top Layer w23.62: MOT2.3 1770,2375 1770,2010 1791.83,1988.17 UC3.6 UC3.7
NetR4_1: R4.1 R5.1 USB.3 | length 486.5
  Top Layer w15.75: USB.3 374.14,1226.34 380,1220.48 380,1115 417.01,1077.99 R5.1 647.13,1077.99 R4.1
NetR6_1: R6.1 USB.2 | length 1021
  Top Layer w11.81: USB.2 290.55,1253.42 178.42,1253.42 140,1215 140,1111.92 146.92,1105 350,1105 420,1035 420,675 395,650 R6.1
NetR12_2: BOOT.2 R12.2 STM1.60 | length 1288.3
  Top Layer w10: R12.2 832.65,422.47 832.65,392.35 980,245 BOOT.2 1046.46,146.46 1080,180 1080,475 1125,520 1250,520 1285,555 v2(1285,575) ; v2(1380,720) 1381.61,721.61 1381.61,792.32 STM1.60
  Bottom Layer w10: v2(1285,575) 1390,680 1390,690 1382.15,697.85 1382.15,717.85 v2(1380,720)
NetR19_2: R19.2 U2.9 | length 350.2
  Top Layer w10: R19.2 1650,1025 1664.25,1010.75 1686.21,1010.75 1701.95,995 v2(1705,995) ; U2.9 1860.94,1017.1 1865,1013.05 v2(1865,1010)
  Bottom Layer w10: v2(1705,995) 1846.95,995 1861.95,1010 v2(1865,1010)
POT0: POT.2 STM1.8 | length 2416.7
  Top Layer w10: v2(1350,970) 1386.22,1006.22 STM1.8 ; v2(1715,815) 1770.1,815 1786.54,831.44 v2(1789.59,831.44) ; v2(2032.35,1001.75) 2057.25,1026.65 2057.25,1047.25 2080,1070 v2(2175,1070) ; v2(2465,1560) 2505,1600 2505,1750 POT.2
  Bottom Layer w10: v2(1350,970) 1310,970 1285,945 1285,840 1365,760 1597.07,760 1652.07,815 v2(1715,815) ; v2(1789.59,831.44) 1791.03,830 1815.22,830 1820.22,825 1930,825 1995,890 1995,985 2009.59,999.59 2030.19,999.59 v2(2032.35,1001.75) ; v2(2175,1070) 2175.62,1070.62 2190.62,1070.62 2428.94,1308.94 2428.94,1523.94 v2(2465,1560)
POT1: POT.3 STM1.9 | length 1854.9
  Top Layer w10: STM1.9 1582.59,1025.91 1608.58,1051.9 1608.58,1099.14 1614.44,1105 1666.95,1105 1676.95,1115 v2(1680,1115) ; v2(2435,1610) 2485,1660 2485,1830 POT.3
  Bottom Layer w10: v2(1680,1115) 1831.08,1266.08 1861.08,1266.08 2010,1415 2155,1415 2185,1385 2245,1385 2260,1370 2260,1275 2285,1250 2315,1250 2415,1350 2415,1590 v2(2435,1610)
POT2: POT.4 STM1.10 | length 1791.7
  Top Layer w10: STM1.10 1575.59,1045.59 1586.86,1056.86 1586.86,1067.85 v2(1589.02,1070) ; v2(1880,1410) 1925,1455 2095,1455 2130,1420 2175,1420 2182.85,1412.15 2197.85,1412.15 v2(2200,1410) ; v2(2345,1615) 2370,1640 2435,1640 2465,1670 2465,1910 POT.4
  Bottom Layer w10: v2(1589.02,1070) 1589.02,1180.98 1571.64,1198.36 1571.64,1214.31 1717.33,1360 1725,1360 1775,1410 v2(1880,1410) ; v2(2200,1410) 2260,1410 2345,1495 v2(2345,1615)
RC0: RC.02 STM1.41 | length 1537.6
  Top Layer w10: RC.02 450,2100 450,1879.42 530,1799.42 530,1526.76 1050.54,1006.22 STM1.41
RC1: RC.03 STM1.42 | length 1458.5
  Top Layer w10: RC.03 435,2015 435,1874.71 516.06,1793.65 516.06,1518.94 1047.95,987.05 1089.49,987.05 STM1.42
RC2: RC.04 STM1.43 | length 1378.3
  Top Layer w10: RC.04 340,1950 500,1790 500,1515 1047.64,967.36 1089.49,967.36 STM1.43
RC2-0: RC2.2 STM1.37 | length 1378.7
  Top Layer w10: RC2.2 605,2115 605,1535 1054.53,1085.47 1089.49,1085.47 STM1.37
RC2-1: RC2.3 STM1.38 | length 1307.3
  Top Layer w10: RC2.3 549.2,2070.8 564.2,2070.8 590,2045 590,1530 1054.21,1065.79 1089.49,1065.79 STM1.38
RC2-2: RC2.4 STM1.39 | length 1220.7
  Top Layer w10: RC2.4 575,1945 575,1521.18 1050.59,1045.59 STM1.39
RC2-3: RC2.5 STM1.40 | length 1140.4
  Top Layer w10: RC2.5 555,1865 555,1521.47 1050.05,1026.42 1089.49,1026.42 STM1.40
RX: R2.2 STM1.52 | length 1094.6
  Top Layer w10: R2.2 675,475 690,490 880,490 910,460 910,341.15 931.15,320 1025,320 1058.94,353.94 1058.94,573.94 v2(1070,585) ; v2(1220,730) 1220,733.05 1224.65,737.69 STM1.52
  Bottom Layer w10: v2(1070,585) 1215,730 v2(1220,730)
SCL: I2C.02 R9.1 STM1.29 | length 2129.1
  Top Layer w10: I2C.02 230,2040 230,1850 v2(270,1810) ; v2(755,975) 755.63,974.37 755.63,949.37 762.99,942.01 R9.1 952.01,942.01 978.36,968.36 979.56,967.15 987.85,967.15 v2(990,965) ; STM1.29 1224.65,1175.35 v2(1245,1155)
  Bottom Layer w10: v2(270,1810) 270,1806.95 280,1796.95 280,1540 345,1475 435,1475 755,1155 v2(755,975) ; v2(990,965) 1085,1060 1150,1060 v2(1245,1155)
"SCL #2": R21.2 STM1.58 U2.23 | length 1602.3
  Top Layer w10: R21.2 877.01,692.01 955,770 955,829.14 960.86,835 1150,835 1160,845 1336.9,845 ; STM1.58 1342.76,839.14 1336.9,845 ; v2(1350,895) 1350,894.5 1336.9,881.39 1336.9,858.85 1336.9,845 ; v2(1720,1275) 1720,1278.05 1736.3,1294.34 1736.3,1305.44 1742.15,1311.3 1823.7,1311.3 1841.26,1293.74 U2.23
  Bottom Layer w10: v2(1350,895) 1353.05,895 1369.34,911.3 1580.44,911.3 1625,955.86 1625,1205 1694.37,1274.37 1719.37,1274.37 v2(1720,1275)
SDA: I2C.03 R8.2 STM1.30 | length 1932
  Top Layer w10: I2C.03 260,2110 260,1890 345,1805 345,1721.38 375,1691.38 v2(375,1645) ; v2(685,1290) 688.05,1290 698.05,1280 715,1280 722.99,1272.01 R8.2 757.68,1215 772.68,1200 v2(775,1200) ; v2(915,1265) 995,1265 1065,1335 1195,1335 1204.96,1325.04 STM1.30
  Bottom Layer w10: v2(375,1645) 375,1641.95 360,1626.95 360,1525 390,1495 480,1495 v2(685,1290) ; v2(775,1200) 850,1200 v2(915,1265)
"SDA #2": R22.2 STM1.59 U2.24 | length 1247.2
  Top Layer w10: R22.2 1122.01,640 1180,640 1270,730 1345,730 1362.44,747.44 1362.44,849.39 1375,861.95 v2(1375,865) ; v2(1715,1230) 1717.15,1232.15 1717.15,1242.15 1770,1295 1810,1295 1821.57,1283.43 U2.24
  Bottom Layer w10: v2(1375,865) 1400,890 1595,890 1645,940 1645,1205 1670,1230 v2(1715,1230)
SWCLK: J5.2 STM1.49 | length 1361.9
  Top Layer w10: J5.2 240,325 540,625 774.14,625 780,630.86 780,665 v2(810,695) ; v2(1125,760) 1135,750 1159.22,750 1165.08,755.86 1165.08,792.32 STM1.49
  Bottom Layer w10: v2(810,695) 829.57,675.43 1120.43,675.43 1130.86,685.86 1130.86,694.14 1125,700 v2(1125,760)
SWDIO: J5.3 STM1.46 | length 1338.5
  Top Layer w10: J5.3 340,405 540,605 706.95,605 716.95,595 v2(720,595) ; v2(720,680) 720,770 770,820 v2(785,820) ; v2(947.9,914.57) 963.33,930 1003.65,930 1020.62,913.03 1060.94,913.03 1066.18,907.8 STM1.46
  Bottom Layer w10: v2(720,595) 749.14,595 755,600.86 755,645 v2(720,680) ; v2(785,820) 870,905 903.48,905 913.04,914.57 v2(947.9,914.57)
TX: R1.2 STM1.51 | length 1314.2
  Top Layer w10: R1.2 520,495 545,520 875,520 925,470 925,345.86 930.86,340 1020,340 1045,365 1045,689.38 1060,704.38 1060,724.14 1065.86,730 1189.14,730 1204.96,745.82 STM1.51
USB-D: R3.1 R4.2 STM1.57 | length 934.1
  Top Layer w10: R4.2 R3.1 704.67,827.99 710.77,821.89 710.77,812.27 720,803.05 v2(720,800) ; v2(1100,695) 1215.29,695 1264.23,743.94 1317.21,743.94 1323.07,749.79 STM1.57
  Bottom Layer w10: v2(720,800) 720,797.07 736.66,780.41 736.66,773.34 772.73,737.27 802.73,737.27 835,705 1029.23,705 1039.23,695 v2(1100,695)
USB-DM: R6.2 STM1.44 | length 1071.5
  Top Layer w10: R6.2 565.29,650 574.23,641.06 750.77,641.06 765,655.29 765,685 825,745 825,834.14 840.86,850 1144.71,850 1155.14,860.43 1199.14,860.43 1205,866.29 1205,925 1182.83,947.17 STM1.44
USB-DP: R5.2 STM1.45 | length 681.5
  Top Layer w10: R5.2 527.28,952.01 595.27,1020 970,1020 1062.01,927.99 1089.49,927.99 STM1.45
USB-P: STM1.20
VUSB: D2.2 USB.1 | length 233.4
  Top Layer w23.62: USB.1 354.33,1289.33 395,1330 395,1355 411.18,1371.18 D2.2
pads on no net: STM1.2 STM1.3 STM1.4 STM1.11 STM1.24 STM1.25 STM1.50 STM1.53 STM1.54 STM1.55 STM1.56 U2.1 U2.2 U2.3 U2.4 U2.5 U2.6 U2.7 U2.12 U2.14 U2.15 U2.16 U2.17 U2.19 U2.21 U2.22 U2.25 UC1.3 UC2.3 UC3.3 UC4.3 UC5.3 UC6.3 UC7.3 UC8.3 UC9.3 USB. USB.4
copper on no net:
  other v4: 1849.13,1144.13 1892.44,1144.13 1849.13,1187.44 1892.44,1187.44

## Polygon pours and split planes (outlines as drawn)
BAT- on Top Layer "BAT-_L01_P000" (solid, pour order 0): 60,2485 2590,2485 cw(c2590,2435) 2640,2435 2640,100 cw(c2580,100) 2580,40 50,40 cw(c50,90) 0,90 cw(c12.07,102.07) -5,102.07 -5,2420 cw(c55.36,2420) 12.68,2462.68 30,2480
BAT- on Bottom Layer "BAT-_L02_P001" (solid, pour order 1): 75,2485 2563.58,2485 cw(c2563.58,2385) 2634.29,2455.71 2635,2455 2635,90 cw(c2598.79,90) 2624.39,64.39 2605,45 cw(c2592.93,57.07) 2592.93,40 60,40 cw(c60,100.36) 17.32,57.68 0,75 0,2430 cw(c48.28,2430) 14.14,2464.14 30,2480

## Silkscreen, mask and mechanical layers (free items; w line width, h text height)
Top Overlay:
  drawing of 48 lines, arcs and shapes, not listed
  text "3.3V" at 25.12,2295.12 h19.68
  text "GND" at 230.12,2290.12 h19.68
  text "GND" at 444.88,2280.12 h19.68 r90
  text "RC" at 240.12,2205.12 h19.68
  text "SDA" at 35.12,2190.12 h19.68
  text "RC20" at 444.88,2185.12 h19.68 r90
  text "RC1" at 230.12,2105.12 h19.68
  text "3.3V" at 2420.12,2100.12 h19.68
  text "SCL" at 35.12,2095.12 h19.68
  text "RC21" at 444.88,2065.12 h19.68 r90
  text "RC2" at 225.12,2000.12 h19.68
  text "GND" at 30.12,1990.12 h19.68
  text "POT2" at 2474.88,1980.12 h19.68 r90
  text "RC22" at 444.88,1960.12 h19.68 r90
  text "POT1" at 2479.88,1875.12 h19.68 r90
  text "RC23" at 439.88,1860.12 h19.68 r90
  text "POT0" at 2479.88,1765.12 h19.68 r90
  text "GND" at 2440.12,1695.12 h19.68
  text "GND" at 2440.12,1250.12 h19.68
  text "Storm32" at 2380.12,805.12 h19.68
  text "Designed by Mert Uzun" at 2235.12,771.68 h19.68
  text "BAT+" at 1700.12,335.12 h19.68
  text "BAT-" at 1440.12,330.12 h19.68
  text "3.3V" at 90.12,270.12 h19.68
  text "SWCLK" at 185.12,270.12 h19.68
  text "SWDIO" at 295.12,270.12 h19.68
  text "GND" at 410.12,270.12 h19.68
  text "TX" at 575.12,210.12 h19.68
  text "RX" at 680.12,210.12 h19.68
  text "GND" at 780.12,210.12 h19.68
Bottom Overlay:
  text "12.08.2025" at 2340,1990 h60
  text "In God We Trust" at 1572.13,1062.87 h39.37